# Altium PCB 2560TK_Pcb.PcbDoc (part 2 of 2)
Units mm, origin at the board's own origin, x right, y up, seen from the top; angles counter-clockwise.
Board outline 200.91 x 155.07 mm, 2 copper layers (Top Layer, Bottom Layer); 160 components, 155 nets, 636 pads, 0 vias.
Unrouted connection lines stored in the file: 210.
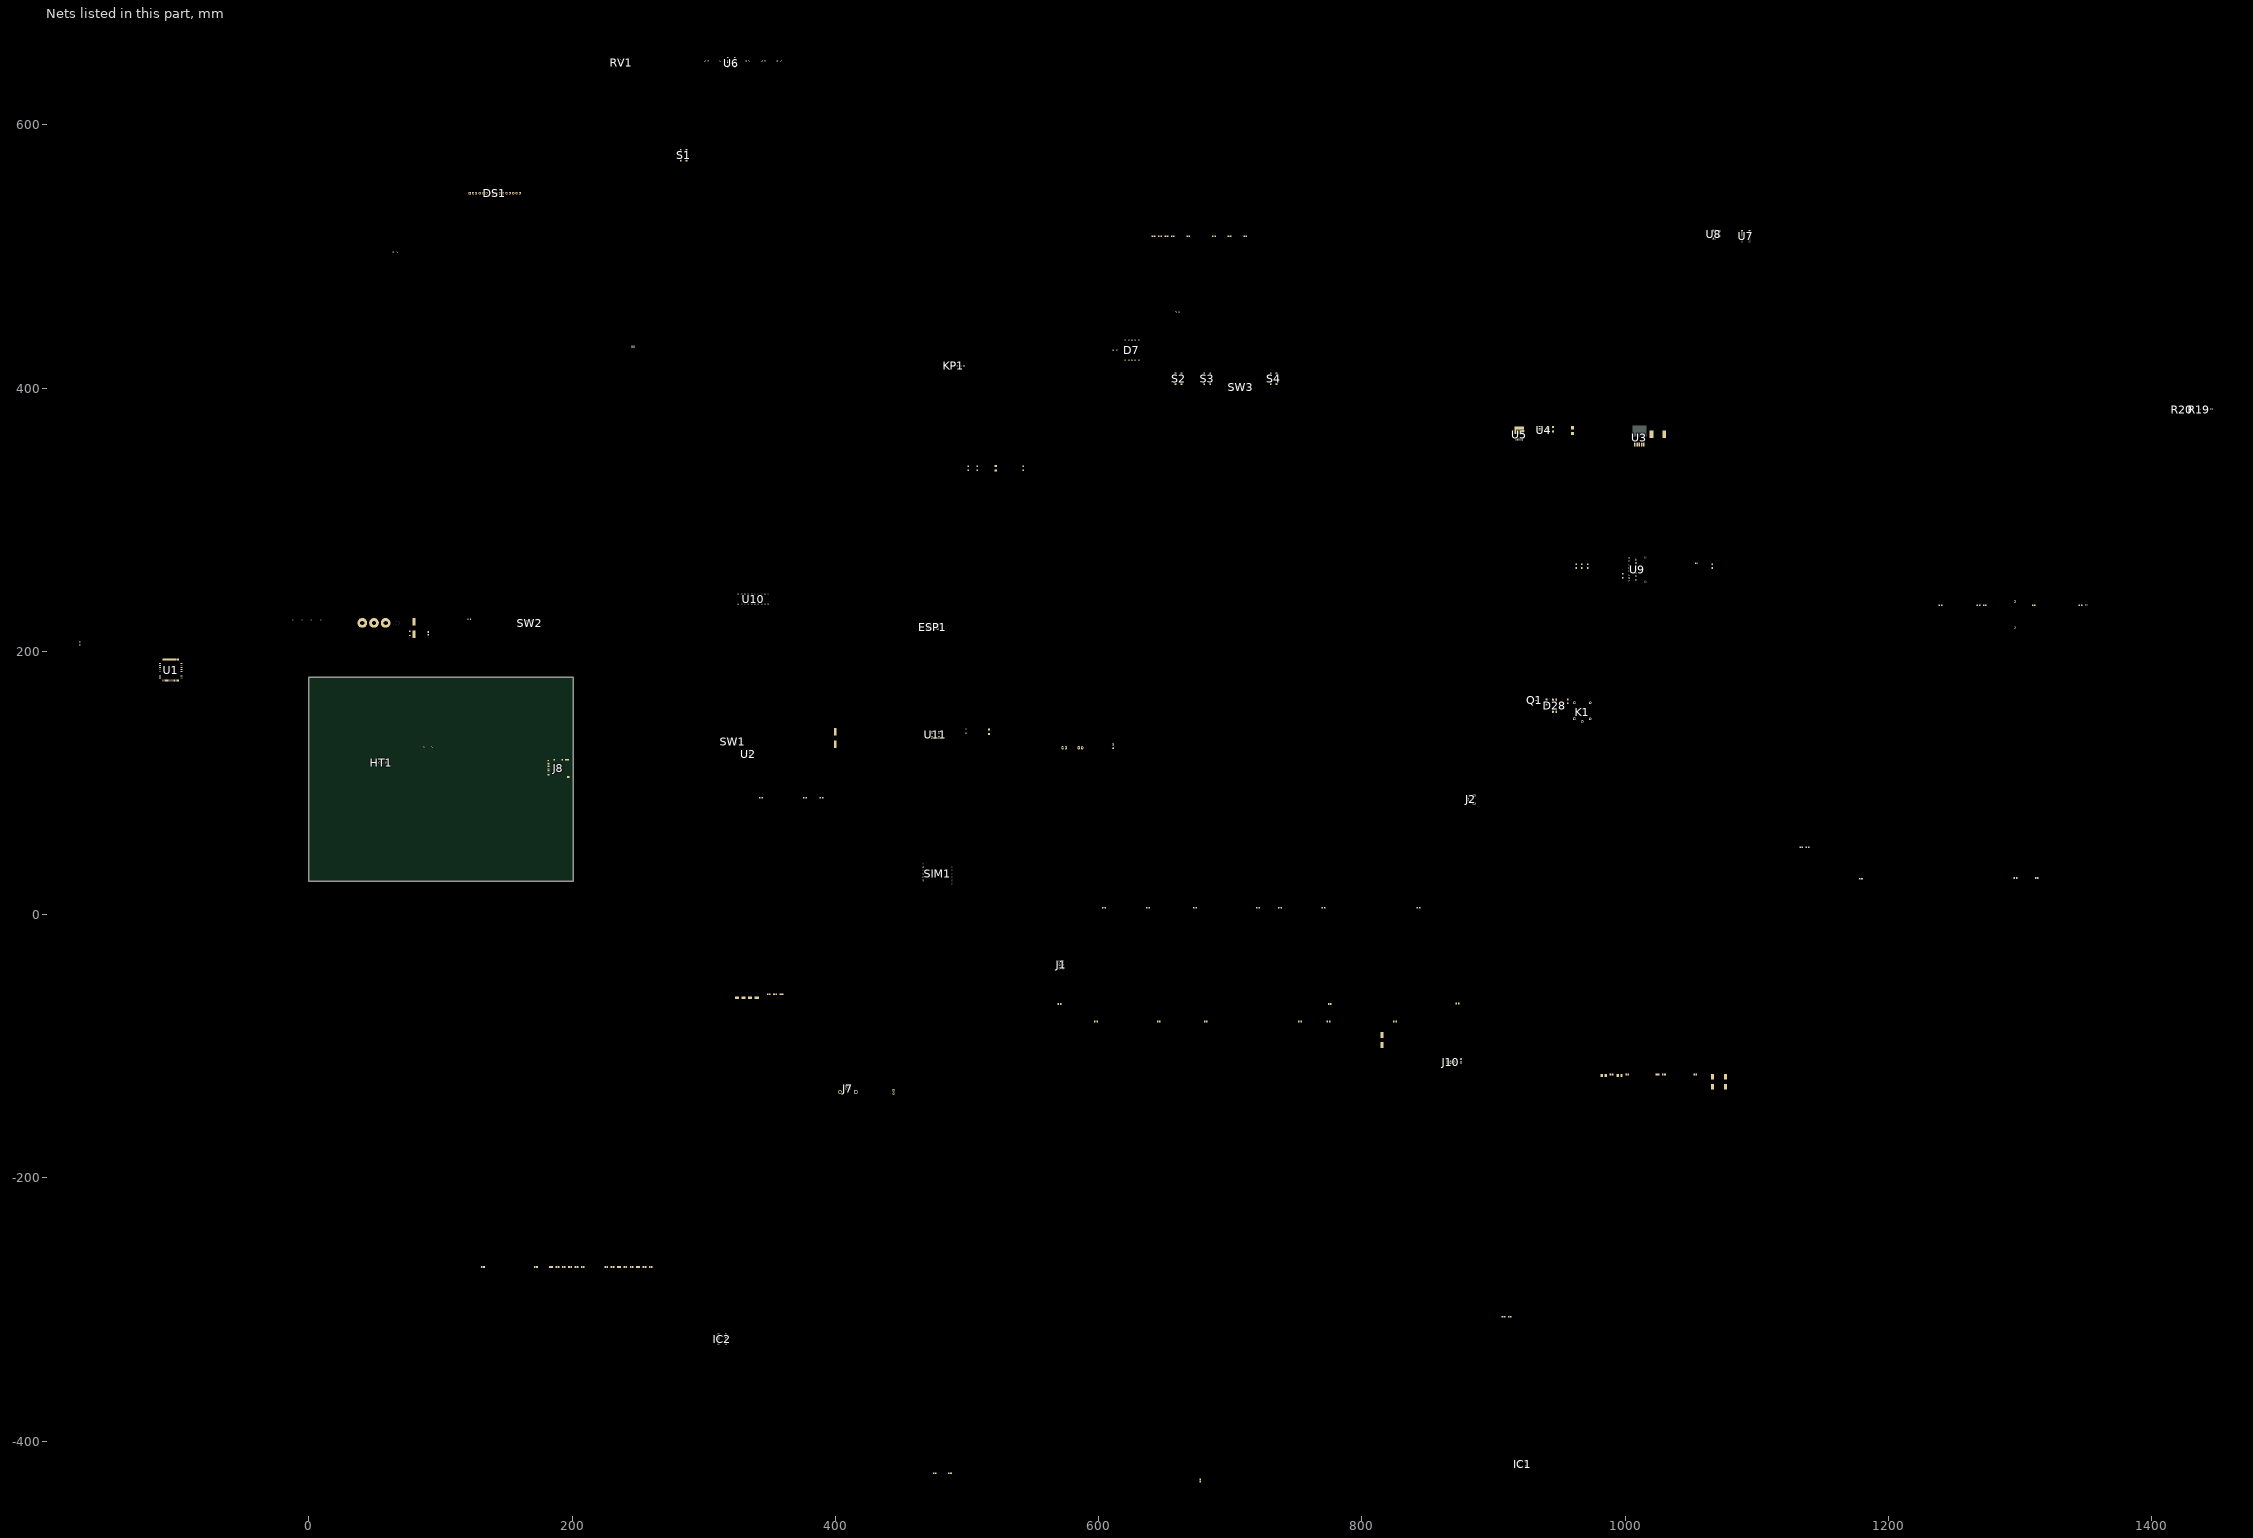
[diagram p2: the nets of this part, all layers, seen from the top]

## Part data (continued)
C27: library part EEE-FK1V221GP, "CAP ALUM 220UF 20% 35V SMD", Device Package="Radial, Can - SMD", Lifetime @ Temp.="5000 Hrs @ 105°C", Manufacturer="Panasonic Electronic Components", Operating Temperature="-55°C ~ 105°C", Ratings=AEC-Q200, Ripple Current @ High Frequency="600mA @ 100kHz", Ripple Current @ Low Frequency="450mA @ 120Hz", Supplier Part Number 1=PCE4321CT-ND, Tolerance=±20%, Voltage - Rated=35V, Applications=Automotive, Capacitance=220µF, ComponentLink1Description=Datasheet, ComponentLink1URL=http://industrial.panasonic.com/www-cgi/jvcr13pz.cgi?E+PZ+4+ABA0120+EEEFK1V221GP+8+WW, ComponentLink2Description="DigiKey Link", ComponentLink2URL=http://digikey.com/product-detail/en/panasonic-electronic-components/EEE-FK1V221GP/PCE4321CT-ND/1014320, Height - Seated (Max)="0.413\" (10.50mm)", Impedance="160 mOhms", LastUpdated="9/2/2020 01:25:16", Lifecycle Status=Active, Minimum Order=1, Mounting Type="Surface Mount", Package / Case="Radial, Can - SMD", Packaging=TapeAndReel, Part Number=EEE-FK1V221GP, Part Status=Active, PartId=7494, Polarization=Polar, Price=0.33, Series=FK, Size / Dimension="0.315\" Dia (8.00mm)", Supplier 1=DigiKey, Surface Mount Land Size="0.327\" L x 0.327\" W (8.30mm x 8.30mm)"
C32 C33: library part C0805C300M3GAC7800, "CAP CER 30PF 25V NP0 0805", Device Package="0805 (2012 Metric)", Manufacturer=KEMET, Operating Temperature="-55°C ~ 125°C", Supplier Part Number 1=399-17444-1-ND, Temperature Coefficient="C0G, NP0", Tolerance=±20%, Voltage - Rated=25V, Applications="General Purpose", Capacitance=30pF, ComponentLink1Description=Datasheet, ComponentLink1URL=https://api.kemet.com/component-edge/download/datasheet/C0805C300M3GACTU.pdf, ComponentLink2Description="DigiKey Link", ComponentLink2URL=http://digikey.com/product-detail/en/kemet/C0805C300M3GAC7800/399-17444-1-ND/8570411, Features="Low ESL", LastUpdated="9/2/2020 01:04:15", Lifecycle Status=Active, Minimum Order=1, Mounting Type="Surface Mount, MLCC", Package / Case="0805 (2012 Metric)", Packaging=TapeAndReel, Part Number=C0805C300M3GAC7800, Part Status=Active, PartId=15688, Price=0.05, Series="SMD Comm C0G", Size / Dimension="0.079\" L x 0.049\" W (2.00mm x 1.25mm)", Supplier 1=DigiKey, Thickness (Max)="0.035\" (0.88mm)"
C34 C35: library part UUQ1A101MCL1GB, "CAP ALUM 100UF 20% 10V SMD", Device Package="Radial, Can - SMD", Lifetime @ Temp.="1000 Hrs @ 105°C", Manufacturer=Nichicon, Operating Temperature="-40°C ~ 105°C", Ripple Current @ High Frequency="90mA @ 10kHz", Ripple Current @ Low Frequency="60mA @ 120Hz", Supplier Part Number 1=493-16092-1-ND, Tolerance=±20%, Voltage - Rated=10V, Applications=Audio, Capacitance=100µF, ComponentLink1Description=Datasheet, ComponentLink1URL=http://nichicon-us.com/english/products/pdfs/e-uuq.pdf, ComponentLink2Description="DigiKey Link", ComponentLink2URL=http://digikey.com/product-detail/en/nichicon/UUQ1A101MCL1GB/493-16092-1-ND/6556079, Height - Seated (Max)="0.213\" (5.40mm)", LastUpdated="9/2/2020 01:18:33", Lifecycle Status=Active, Minimum Order=1, Mounting Type="Surface Mount", Package / Case="Radial, Can - SMD", Packaging=TapeAndReel, Part Number=UUQ1A101MCL1GB, Part Status=Active, PartId=8786, Polarization=Polar, Price=0.18, Series=UUQ, Size / Dimension="0.248\" Dia (6.30mm)", Supplier 1=DigiKey, Surface Mount Land Size="0.260\" L x 0.260\" W (6.60mm x 6.60mm)"
D1: "DIODE SCHOTTKY 30V 200MA SOD323", Capacitance @ Vr, F="10pF @ 1V, 1MHz", Current - Average Rectified (Io)="200mA (DC)", Current - Reverse Leakage @ Vr="2µA @ 25V", Manufacturer="ON Semiconductor", Operating Temperature - Junction="-55°C ~ 150°C", Package / Case="SC-76, SOD-323", Supplier Device Package=SOD-323, Supplier Part Number 1=BAT54HT1GOSCT-ND, Voltage - DC Reverse (Vr) (Max)=30V, Voltage - Forward (Vf) (Max) @ If="800mV @ 100mA", ComponentLink1Description=Datasheet, ComponentLink1URL=//media.digikey.com/pdf/Data%20Sheets/Fairchild%20PDFs/BAT54HT1G_Rev_1.2.pdf, ComponentLink2Description="DigiKey Link", ComponentLink2URL=http://digikey.com/product-detail/en/on-semiconductor/BAT54HT1G/BAT54HT1GOSCT-ND/917809, Diode Type=Schottky, LastUpdated="02/09/2020 01:27:26", Lifecycle Status=Active, Minimum Order=1, Mounting Type="Surface Mount", Packaging=TapeAndReel, Part Number=BAT54HT1G, Part Status=Active, PartId=3080, Price=0.03, Reverse Recovery Time (trr)=5ns, Speed="Small Signal =< 200mA (Io), Any Speed", Supplier 1=DigiKey
D2: "DIODE SCHOTTKY 40V 3A SMB", Capacitance @ Vr, F="200pF @ 4V, 1MHz", Current - Average Rectified (Io)=3A, Current - Reverse Leakage @ Vr="500µA @ 40V", Manufacturer="Diodes Incorporated", Operating Temperature - Junction="-55°C ~ 150°C", Package / Case="DO-214AA, SMB", Supplier Device Package=SMB, Supplier Part Number 1=B340BQ-13-FDICT-ND, Voltage - DC Reverse (Vr) (Max)=40V, Voltage - Forward (Vf) (Max) @ If="500mV @ 3A", ComponentLink1Description=Datasheet, ComponentLink1URL=https://www.diodes.com/assets/Datasheets/B340BQ-B360BQ.pdf, ComponentLink2Description="DigiKey Link", ComponentLink2URL=http://digikey.com/product-detail/en/diodes-incorporated/B340BQ-13-F/B340BQ-13-FDICT-ND/6012577, Diode Type=Schottky, LastUpdated="02/09/2020 01:18:53", Lifecycle Status=Active, Minimum Order=1, Mounting Type="Surface Mount", Packaging=TapeAndReel, Part Number=B340BQ-13-F, Part Status=Active, PartId=1474, Price=0.12, Series="Automotive, AEC-Q101", Speed="Fast Recovery =< 500ns, > 200mA (Io)", Supplier 1=DigiKey
D3 D13 D18: library part APTL3216SURCK-01, "LED SMD", Current - Test=20mA, Device Package="1206 (3216 Metric)", Lens Color=Colorless, Manufacturer=Kingbright, Millicandela Rating=230mcd, Supplier Device Package=1206, Supplier Part Number 1=754-APTL3216SURCK-01CT-ND, Voltage - Forward (Vf) (Typ)=1.95V, Color=Red, ComponentLink1Description=Datasheet, ComponentLink1URL=http://www.kingbrightusa.com/images/catalog/SPEC/APTL3216SURCK-01.pdf, ComponentLink2Description="DigiKey Link", ComponentLink2URL=http://digikey.com/product-detail/en/kingbright/APTL3216SURCK-01/754-APTL3216SURCK-01CT-ND/10293135, Configuration=1206, Height (Max)=1.20mm, LastUpdated="9/2/2020 01:21:09", Lens Size="1.10mm Dia", Lens Style="Round with Domed Top", Lens Transparency=Clear, Lifecycle Status=Active, Minimum Order=1, Mounting Type="Surface Mount", Package / Case="1206 (3216 Metric)", Packaging=TapeAndReel, Part Number=APTL3216SURCK-01, Part Status=Active, PartId=229, Price=0.08, Series=Heli-R, Size / Dimension="3.20mm L x 1.60mm W", Supplier 1=DigiKey, Viewing Angle=80°, Wavelength - Dominant=630nm, Wavelength - Peak=645nm
D4 D5 D6 D8 D9 D10 D11 D12: "5MM LED", Manufacturer=Kingbright, Manufacturer Part Number=WP7113ND, Supplier Part Number 1=754-1896-ND, ComponentLink1Description=Datasheet, ComponentLink1URL=https://www.kingbrightusa.com/images/catalog/SPEC/WP7113ND.pdf, Pricing 1="1=0.67000, 10=0.41100, 100=0.23650, 1000=0.18508, 2000=0.16966, 5000=0.15423, 10000=0.14395, 25000=0.13881 (USD)", Stock 1=50, Supplier 1=Digi-Key
D7: "LED Displays & Accessories Single Red 640nm Common Anode", Case/Package=DIP, Color=Red, Forward Current=20mA, Forward Voltage=1.85V, Manufacturer=Kingbright, Manufacturer Part Number=SA05-11SRWA, Max Operating Temperature=85°C, Max Power Dissipation=75mW, Min Operating Temperature=-40°C, Package Quantity=40, Supplier Part Number 1=754-1677-5-ND, Category="LED Displays", Character Height=12.7mm, Character Width=7.3mm, ComponentLink1Description=https://datasheet.ciiva.com/16484/sa05-11srwa-16484660.pdf?src-supplier=Future+Electronics, ComponentLink1URL=https://datasheet.ciiva.com/16484/sa05-11srwa-16484660.pdf?src-supplier=Future+Electronics, ComponentLink2Description=https://datasheet.ciiva.com/11771/0900766b802001c1-11771105.pdf?src-supplier=RSComponents, ComponentLink2URL=https://datasheet.ciiva.com/11771/0900766b802001c1-11771105.pdf?src-supplier=RSComponents, ComponentLink3Description=https://datasheet.ciiva.com/2104/sa05-11srwa-2104885.pdf?src-supplier=Digi-Key, ComponentLink3URL=https://datasheet.ciiva.com/2104/sa05-11srwa-2104885.pdf?src-supplier=Digi-Key, ComponentLink4Description=https://datasheet.ciiva.com/4421/sa05-11srwa-42646-4421784.pdf?src-supplier=Mouser, ComponentLink4URL=https://datasheet.ciiva.com/4421/sa05-11srwa-42646-4421784.pdf?src-supplier=Mouser, ComponentLink5Description=https://datasheet.ciiva.com/26291/sa05-11srwa-26291690.pdf?src-supplier=Digi-Key, ComponentLink5URL=https://datasheet.ciiva.com/26291/sa05-11srwa-26291690.pdf?src-supplier=Digi-Key, Display Type=Segment, Element Configuration="Common Anode", Height=0.748inch, Illumination Color=Red, Lead Free="Lead Free", Length=0.75inch, Luminous Intensity=34mcd, Mount="Through Hole", Number of Characters=1, Number of Pins=10, Number of Segments=7, Operating Supply Voltage=1.85V, Packaging=Bulk, Power Consumption=75mW, Pricing 1="1=1.96000, 10=1.24000, 100=0.91770, 500=0.84334, 1000=0.69451, 2000=0.65979, 5000=0.64490, 10000=0.63180 (USD)", RoHS=Yes, RoHS Compliant=Yes, Stock 1=1638, Supplier 1=Digi-Key, Test Current=20mA, Wavelength=640nm, Width=0.5inch
D14 D15 D16 D17 D19 D20 D21 D22 D27: "STANDARD RECTIFIER 1000V SOD-123", Capacitance @ Vr, F="15pF @ 4V, 1MHz", Current - Average Rectified (Io)=1A, Current - Reverse Leakage @ Vr="5µA @ 1000V", Manufacturer="SMC Diode Solutions", Package / Case=SOD-123F, Supplier Device Package=SOD-123FL, Supplier Part Number 1=1655-1N4007FLCT-ND, Voltage - DC Reverse (Vr) (Max)=1000V, Voltage - Forward (Vf) (Max) @ If="1.1V @ 1A", ComponentLink1Description=Datasheet, ComponentLink1URL=http://www.smc-diodes.com/propdf/1N4001FL-1N4007FL%20N1646%20REV.A.pdf, ComponentLink2Description="DigiKey Link", ComponentLink2URL=http://digikey.com/product-detail/en/smc-diode-solutions/1N4007FLTR/1655-1N4007FLCT-ND/11657827, Diode Type=Standard, Lifecycle Status=Active, Minimum Order=1, Mounting Type="Surface Mount", Packaging=TapeAndReel, Part Number=1N4007FLTR, PartId=3314, Price=0.01, Speed="Standard Recovery >500ns, > 200mA (Io)", Supplier 1=DigiKey
  D14 D15 D16 D17 D19 D20 D21 D22: LastUpdated="8/30/2020 20:59:55"
  D27: LastUpdated="30/08/2020 20:59:55"
D23: library part QTLP630C4TR, "LED GREEN CLEAR 0805 SMD", Current - Test=20mA, Device Package="0805 (2012 Metric)", Lens Color=Colorless, Manufacturer="Everlight Electronics Co Ltd", Millicandela Rating=10mcd, Supplier Device Package=0805, Supplier Part Number 1=1080-1411-1-ND, Voltage - Forward (Vf) (Typ)=2.1V, Color=Green, ComponentLink1Description=Datasheet, ComponentLink1URL=//media.digikey.com/PDF/Data%20Sheets/Everlight%20PDFs/QTLP630-2.pdf, ComponentLink2Description="DigiKey Link", ComponentLink2URL=http://digikey.com/product-detail/en/everlight-electronics-co-ltd/QTLP630C4TR/1080-1411-1-ND/2676145, Configuration=Standard, Height (Max)=1.20mm, LastUpdated="02/09/2020 01:21:05", Lens Size="1.40mm x 1.25mm", Lens Style="Rectangle with Flat Top", Lens Transparency=Clear, Lifecycle Status=Active, Minimum Order=1, Mounting Type="Surface Mount", Package / Case="0805 (2012 Metric)", Packaging=TapeAndReel, Part Number=QTLP630C4TR, Part Status=Active, PartId=240, Price=0.06, Series=-, Size / Dimension="2.00mm L x 1.25mm W", Supplier 1=DigiKey, Viewing Angle=140°, Wavelength - Dominant=570nm, Wavelength - Peak=565nm
D24 D29: library part XZMDK55W-A2RT, "LED RED CLEAR 2SMD", Current - Test=20mA, Device Package="1206 (3216 Metric)", Lens Color=Colorless, Manufacturer=SunLED, Millicandela Rating=228mcd, Supplier Device Package=2-SMD, Supplier Part Number 1=1497-1289-1-ND, Voltage - Forward (Vf) (Typ)=1.95V, Color=Red, ComponentLink1Description=Datasheet, ComponentLink1URL=https://www.sunledusa.com/products/spec/XZMDK55W-A2RT.pdf, ComponentLink2Description="DigiKey Link", ComponentLink2URL=http://digikey.com/product-detail/en/sunled/XZMDK55W-A2RT/1497-1289-1-ND/5775269, Configuration=Standard, Height (Max)=1.20mm, LastUpdated="02/09/2020 01:21:09", Lens Size="1.10mm Dia", Lens Style="Round with Flat Top", Lens Transparency=Clear, Lifecycle Status=Active, Minimum Order=1, Mounting Type="Surface Mount", Package / Case="1206 (3216 Metric)", Packaging=TapeAndReel, Part Number=XZMDK55W-A2RT, Part Status=Active, PartId=183, Price=0.08, Series=-, Size / Dimension="3.20mm L x 1.60mm W", Supplier 1=DigiKey, Viewing Angle=70°, Wavelength - Dominant=630nm, Wavelength - Peak=645nm
D25 D26: "DIODE ZENER 3.6V 500MW SOD123", Current - Reverse Leakage @ Vr="15µA @ 1V", Manufacturer="Vishay Semiconductor Diodes Division", Operating Temperature="-55°C ~ 150°C", Package / Case=SOD-123, Power - Max=500mW, Supplier Part Number 1=MMSZ5227B-E3-08GICT-ND, Tolerance=±5%, Voltage - Zener (Nom) (Vz)=3.6V, ComponentLink1Description=Datasheet, ComponentLink1URL=http://www.vishay.com/docs/85774/mmsz5225.pdf, ComponentLink2Description="DigiKey Link", ComponentLink2URL=http://digikey.com/product-detail/en/vishay-semiconductor-diodes-division/MMSZ5227B-E3-08/MMSZ5227B-E3-08GICT-ND/8565138, Impedance (Max) (Zzt)="24 Ohms", LastUpdated="9/2/2020 01:19:27", Lifecycle Status=Active, Minimum Order=1, Mounting Type="Surface Mount", Packaging=TapeAndReel, Part Number=MMSZ5227B-E3-08, Part Status=Active, PartId=1713, Price=0.05, Series="Automotive, AEC-Q101", Supplier 1=DigiKey, Supplier Device Package=SOD-123
D28: "OPTOISOLATR 5KV TRANSISTOR 4-SMD", Current - DC Forward (If) (Max)=50mA, Current Transfer Ratio (Max)="600% @ 5mA", Current Transfer Ratio (Min)="50% @ 5mA", Device Package="4-SMD, Gull Wing", Manufacturer="Lite-On Inc.", Operating Temperature="-30°C ~ 110°C", Supplier Device Package=4-SMD, Supplier Part Number 1=160-1893-1-ND, Voltage - Forward (Vf) (Typ)=1.2V, Voltage - Isolation=5000Vrms, Voltage - Output (Max)=35V, ComponentLink1Description=Datasheet, ComponentLink1URL=http://optoelectronics.liteon.com/upload/download/DS-70-96-0016/LTV-8X7%20series%20201610%20.pdf, ComponentLink2Description="DigiKey Link", ComponentLink2URL=http://digikey.com/product-detail/en/lite-on-inc/LTV-817S-TA1/160-1893-1-ND/3306757, Current - Output / Channel=50mA, Input Type=DC, LastUpdated="12/01/2020 21:58:48", Lifecycle Status=Active, Minimum Order=1, Mounting Type="Surface Mount", Number of Channels=1, Output Type=Transistor, Package / Case="4-SMD, Gull Wing", Packaging=TapeAndReel, Part Number=LTV-817S-TA1, Part Status=Active, Price=0.12, Rise / Fall Time (Typ)="4µs, 3µs", Series=-, Supplier 1=DigiKey, Vce Saturation (Max)=200mV
DS1: "LUMEX         LCM-S01602DTR/C             Alphanumeric LCD, 16 x 2, Black on Grey, 5V, Parallel, English, Japanese, Reflective", Background Color=Green, Case/Package=Module, Current Rating=3mA, Manufacturer=Lumex, Manufacturer Part Number=LCM-S01602DTR/C, Max Operating Temperature=50°C, Min Operating Temperature=0°C, Operating Supply Voltage=5V, Package Quantity=45, Supplier Part Number 1=67-1780-ND, Category="LCD, OLED, Graphic Displays", Character Height=5.56mm, Character Width=2.96mm, ComponentLink1Description=https://datasheet.ciiva.com/1314/1701289-1314455.pdf?src-supplier=Newark, ComponentLink1URL=https://datasheet.ciiva.com/1314/1701289-1314455.pdf?src-supplier=Newark, ComponentLink2Description=https://datasheet.ciiva.com/1227/1701289-1227260.pdf?src-supplier=Element14, ComponentLink2URL=https://datasheet.ciiva.com/1227/1701289-1227260.pdf?src-supplier=Element14, Height=30mm, Interface=Parallel, Lead Free="Lead Free", Length=85mm, Number of Characters=32, Number Of Characters Per Row=16, Packaging=Bulk, Pricing 1="1=11.49000, 10=8.33200, 100=6.88450, 500=6.02938, 1000=5.70050, 2000=5.56895, 5000=5.48125, 10000=5.37163 (USD)", REACH SVHC="No SVHC", RoHS=Yes, Stock 1=70, Supplier 1=Digi-Key, Viewing Area (height)=16mm, Viewing Area (width)=66mm, Voltage Rating=5V, Width=85mm
ESP1: "TXRX ESP8266 MOD WIFI TRACE ANT", Case/Package=Module, Manufacturer="Seeed Studio", Manufacturer Part Number=317060016, Supplier Part Number 1=1597-1145-ND, Category="Embedded Processors and Controllers", ComponentLink1Description=https://media.digikey.com/pdf/Data%20Sheets/Seeed%20Technology/317060016_Web.pdf?src-supplier=Digi-Key, ComponentLink1URL=https://media.digikey.com/pdf/Data%20Sheets/Seeed%20Technology/317060016_Web.pdf?src-supplier=Digi-Key, Height=0.25inch, Length=3.25inch, Pricing 1="1=7.09000 (USD)", RoHS=No, Stock 1=190, Supplier 1=Digi-Key, Weight=0.0625lb, Width=2.25inch
FB1: "FERRITE BEAD 600 OHM 0805 1LN", Case Code (Imperial)=0805, Case Code (Metric)=2012, Current Rating=2A, DC Resistance (DCR)=100mR, Manufacturer=TDK, Package Quantity=1, Supplier Part Number 1=445-2206-1-ND, Case/Package=0805, Category="Ferrite Beads and Chips", ComponentLink1Description=https://datasheet.ciiva.com/46634/beads-commercial-power-mpz-en-46634377.pdf?src-supplier=Digi-Key, ComponentLink1URL=https://datasheet.ciiva.com/46634/beads-commercial-power-mpz-en-46634377.pdf?src-supplier=Digi-Key, ComponentLink2Description=https://datasheet.ciiva.com/46634/beads-commercial-power-mpz-en-46634606.pdf?src-supplier=Digi-Key, ComponentLink2URL=https://datasheet.ciiva.com/46634/beads-commercial-power-mpz-en-46634606.pdf?src-supplier=Digi-Key, ComponentLink3Description=https://datasheet.ciiva.com/46634/beads-commercial-power-mpz-en-46634335.pdf?src-supplier=Digi-Key, ComponentLink3URL=https://datasheet.ciiva.com/46634/beads-commercial-power-mpz-en-46634335.pdf?src-supplier=Digi-Key, Height=0.041inch, Impedance=600R, Lead Free="Lead Free", Length=0.079inch, Manufacturer Part Number=MPZ2012S601AT000, Max DC Current=2A, Mount="Surface Mount", Packaging="Tape and Reel", Pricing 1="1=0.11000, 10=0.09200, 25=0.08240, 50=0.06040, 100=0.05220, 250=0.04116, 500=0.03476, 1000=0.02928 (USD)", REACH SVHC="No SVHC", RoHS=Yes, RoHS Compliant=Yes, Series=MPZ, Stock 1=209203, Supplier 1=Digi-Key, Width=0.049inch
FID1 FID2 FID3 FID4: "Fiducial 40mil Diameter, 120mil mask"
HT1: "SENSOR HUMID/TEMP 5V DTL 5% MOD", Manufacturer="Adafruit Industries", Manufacturer Part Number=386, Max Operating Temperature=50°C, Min Operating Temperature=0°C, Supplier Part Number 1=1528-1228-ND, Accuracy=5%, Category=Optoelectronics, ComponentLink1Description=https://media.digikey.com/pdf/Data%20Sheets/Adafruit%20PDFs/DHT11_ProdManual.pdf?src-supplier=Digi-Key, ComponentLink1URL=https://media.digikey.com/pdf/Data%20Sheets/Adafruit%20PDFs/DHT11_ProdManual.pdf?src-supplier=Digi-Key, Mount="Chassis Mount", Output Type=Digital, Pricing 1="1=5.00000 (USD)", Response Time=1s, RoHS=Yes, Sensor Type=Temperature, Stock 1=753, Supplier 1=Digi-Key
IC1 IC2: "IC TRNSLTR BIDIRECTIONAL 14SOIC", Device Package="14-SOIC (0.154\", 3.90mm Width)", Manufacturer="Texas Instruments", Operating Temperature="-40°C ~ 85°C (TA)", Supplier Device Package=14-SOIC, Supplier Part Number 1=296-21928-1-ND, Voltage - VCCA="1.2V ~ 3.6V", Voltage - VCCB="1.65V ~ 5.5V", Channel Type=Bidirectional, Channels per Circuit=4, ComponentLink1Description=Datasheet, ComponentLink1URL=http://www.ti.com/general/docs/suppproductinfo.tsp?distId=10&gotoUrl=http%3A%2F%2Fwww.ti.com%2Flit%2Fgpn%2Ftxb0104, ComponentLink2Description="DigiKey Link", ComponentLink2URL=http://digikey.com/product-detail/en/texas-instruments/TXB0104DR/296-21928-1-ND/1629281, Data Rate=100Mbps, Features="Auto-Direction Sensing", LastUpdated="13/05/2020 17:06:13", Lifecycle Status=Active, Minimum Order=1, Mounting Type="Surface Mount", Number of Circuits=1, Output Type="Tri-State, Non-Inverted", Package / Case="14-SOIC (0.154\", 3.90mm Width)", Packaging=TapeAndReel, Part Number=TXB0104DR, Part Status=Active, Price=0.54, Series=-, Supplier 1=DigiKey, Translator Type="Voltage Level"
J1: library part "HDR 2x3", "CONN HEADER 6POS .100 STR 30AU", Color=Black, Current Rating=3A, Flammability Rating="UL94 V-0", Insulation Resistance=5GR, Manufacturer="Amphenol FCI", Manufacturer Part Number=67997-106HLF, Max Operating Temperature=125°C, Max Voltage Rating (AC)=1.5kV, Min Operating Temperature=-65°C, Package Quantity=100, Supplier Part Number 1=609-3393-ND, Category="Headers and Wire Housings", ComponentLink1Description=https://datasheet.ciiva.com/5153/67996-222463-5153820.pdf?src-supplier=Mouser, ComponentLink1URL=https://datasheet.ciiva.com/5153/67996-222463-5153820.pdf?src-supplier=Mouser, ComponentLink2Description=https://datasheet.ciiva.com/16726/67996-16726286.pdf?src-supplier=Avnet+Europe, ComponentLink2URL=https://datasheet.ciiva.com/16726/67996-16726286.pdf?src-supplier=Avnet+Europe, ComponentLink3Description=https://datasheet.ciiva.com/722/67996-722044.pdf?src-supplier=Digi-Key, ComponentLink3URL=https://datasheet.ciiva.com/722/67996-722044.pdf?src-supplier=Digi-Key, ComponentLink4Description=https://datasheet.ciiva.com/10149/67996-10149221.pdf?src-supplier=Avnet, ComponentLink4URL=https://datasheet.ciiva.com/10149/67996-10149221.pdf?src-supplier=Avnet, ComponentLink5Description=https://datasheet.ciiva.com/46393/1876884-46393067.pdf?src-supplier=Element14, ComponentLink5URL=https://datasheet.ciiva.com/46393/1876884-46393067.pdf?src-supplier=Element14, Connector Type="Male Pin", Contact Gender=Male, Contact Material=Bronze, Contact Mating Length=0.23inch, Contact Plating=Gold,GXT, Contact Post Length=3.05mm, Contact Type="Male Pin", Depth=4.83mm, Gender=Male, Housing Color=Black, Housing Material=Thermoplastic, Lead Free="Lead Free", Length=7.62mm, Mount="Through Hole", Number of Contacts=6, Number of Positions=6, Number of Rows=2, Orientation=Straight, Packaging=Bulk, Pitch=2.54mm, Pricing 1="1=1.87000, 10=1.69500, 100=1.45300, 500=1.21082, 1000=1.03785, 5000=0.92023, 10000=0.89947 (USD)", Radiation Hardening=No, REACH SVHC="No SVHC", RoHS=Yes, RoHS Compliant=Yes, Row Spacing=0.1inch, Series=67997, Stock 1=1173, Supplier 1=Digi-Key, Termination="Through Hole", Voltage Rating=1.5kV
J2: "CONN PWR JACK 2X5.5MM SOLDER", Current Rating (Amps)=5A, Manufacturer="CUI Devices", Material Flammability Rating="UL94 V-0", Supplier Part Number 1=CP-102AH-ND, Voltage - Rated=24VDC, Actual Diameter="0.079\" (2.00mm ID), 0.256\" (6.50mm OD)", ComponentLink1Description=Datasheet, ComponentLink1URL=https://www.cuidevices.com/product/resource/digikeypdf/pj-102ah.pdf, ComponentLink2Description="DigiKey Link", ComponentLink2URL=//digikey.com/product-detail/en/cui-devices/PJ-102AH/CP-102AH-ND/408448, Connector Type=Jack, Gender=Male, Industry Recognized Mating Diameter="2.00mm ID (0.079\"), 5.50mm OD (0.217\")", Internal Switch(s)="Single Switch, Normally Closed", LastUpdated="16/12/2019 19:01:27", Lifecycle Status=0, Mating Length/Depth="0.354\" (9.00mm)", Minimum Order=1, Mounting Type="Through Hole, Right Angle", Number of Positions/Contacts="2 Conductors, 3 Contacts", Packaging=Tray, Part Number=PJ-102AH, Part Status=Active, Price=0.76, Series=-, Shielding=Unshielded, Supplier 1=DigiKey, Termination=Solder
J3: "Pin Header 2.54MM Pitch Str, 1X2PIN, Full G/f, NY6T, 6.1MM*2.5MM*3.0MM / Bag", Manufacturer=Amphenol, Manufacturer Part Number=G800W306018EU, Supplier Part Number 1=523-G800W306018EU, Pricing 1="1=0.10000, 10=0.02700, 50=0.02700, 100=0.02600, 1000=0.02200, 10000=0.01900 (USD)", RoHS Compliant=Yes, Stock 1=1088, Supplier 1=Mouser
J4 J5: "TERM BLK 2P SIDE ENT 2.54MM PCB", Color=Green, Current=10A, Manufacturer="TE Connectivity AMP Connectors", Supplier Part Number 1=A98333-ND, Voltage=150V, ComponentLink1Description=Datasheet, ComponentLink1URL=https://www.te.com/commerce/DocumentDelivery/DDEController?Action=srchrtrv&DocNm=282834&DocType=Customer+Drawing&DocLang=English, ComponentLink2Description="DigiKey Link", ComponentLink2URL=http://digikey.com/product-detail/en/te-connectivity-amp-connectors/282834-2/A98333-ND/1150135, LastUpdated="1/15/2020 04:15:38", Lifecycle Status=Active, Mating Orientation="Horizontal with Board", Minimum Order=1, Mounting Type="Through Hole", Number of Levels=1, Packaging=Bulk, Part Number=282834-2, Part Status=Active, Pitch="0.100\" (2.54mm)", Positions Per Level=2, Price=0.88, Series=Buchanan, Supplier 1=DigiKey, Wire Gauge="16-30 AWG", Wire Termination="Screw - Rising Cage Clamp"